# Allegro board RK_EVB7_RK3588_LP4XD200P232SD8_V11_20230111YWQ.brd (continued)
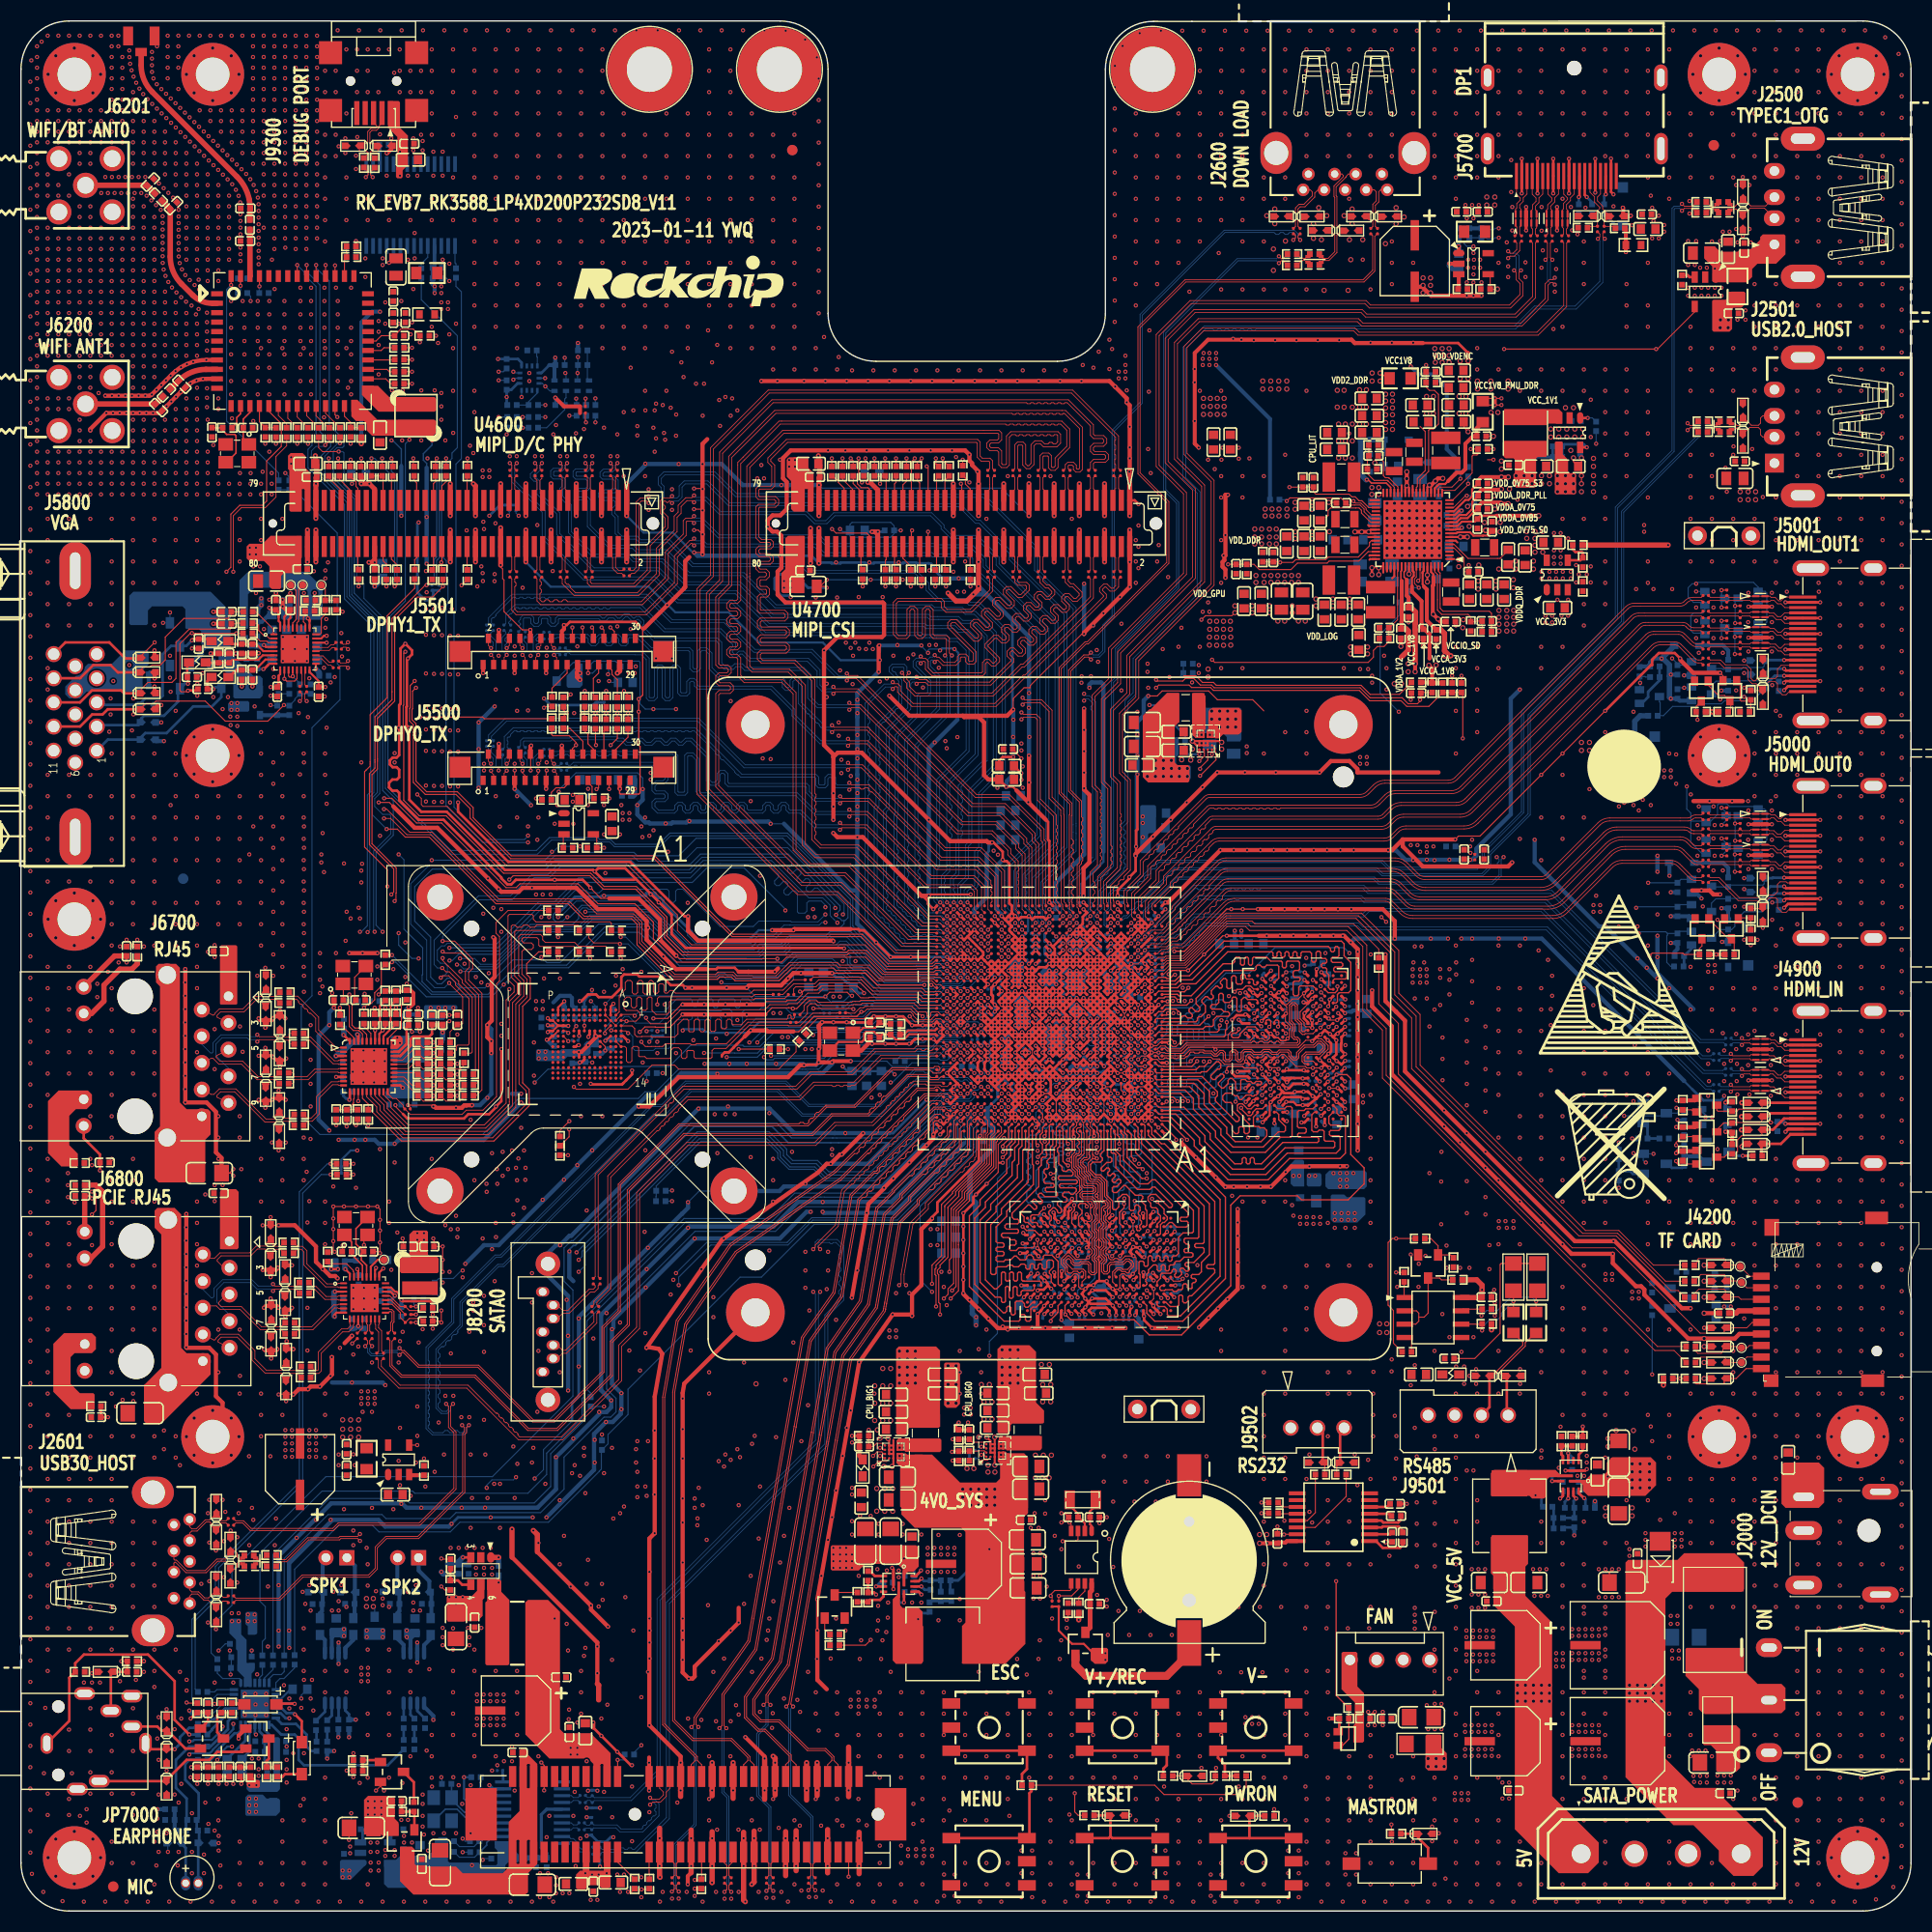
[diagram p0: board, top side]
## Nets (continued)
MAC1_TXCLK: R1514.1 U1000.AD28(GPIO3_A4_D)
MAC1_TXD0: R1515.1 U1000.AC28(GPIO3_B3_U)
MAC1_TXD1: R1516.1 U1000.AC29(GPIO3_B4_U)
MAC1_TXD2: R1512.1 U1000.AA29(GPIO3_A0_U)
MAC1_TXD3: R1513.1 U1000.AA30(GPIO3_A1_U)
MAC1_TXEN: R1517.1 U1000.AD29(GPIO3_B5_U)
MIC2N: C7010.2 C7020.2 ED7001.1 MIC7000.2 R7022.1
MIC2P: C7009.2 C7020.1 ED7000.1 MIC7000.1 R7016.2
MIPI_CAM1_CLKOUT: R4620.1 U1000.E26(GPIO1_B6_U)
MIPI_CAM1_PDN_L: R4628.1 U1000.A26(GPIO1_A2_D)
MIPI_CAM1_PWREN_H: R4626.1 U1000.F28(GPIO1_D2_D)
MIPI_CAM2_CLKOUT: R4621.2 U1000.E27(GPIO1_B7_U)
MIPI_CAM2_PDN_L: R4629.2 U1000.B25(GPIO1_A4_D)
MIPI_CAM2_PWREN_H: R4627.2 U1000.E28(GPIO1_D3_D)
MIPI_CAM3/4_PWREN_H: R4736.1 U1000.D26(GPIO1_B2_D)
MIPI_CAM3_CLKOUT: R4724.1 U1000.F24(GPIO1_D6_U)
MIPI_CAM3_PDN_L: R4732.1 U1000.C25(GPIO1_A7_U)
MIPI_CAM4/5_PWREN_H: R4737.2 U1000.D25(GPIO1_B1_D)
MIPI_CAM4_CLKOUT: R4725.2 U1000.F25(GPIO1_D7_U)
MIPI_CAM4_PDN_L: R4730.1 U1000.C27(GPIO1_B0_U)
MIPI_CAM5_PDN_L: R4733.2 U1000.AD33(GPIO2_B6_D)
MIPI_CAM6_PDN_L: R4731.2 U1000.A27(GPIO1_A3_D)
MIPI_CAM7_PDN_L: R1923.2 U4700.64(LIGHT_EN)
MIPI_CAM8_PDN_L: R1924.2 U4700.63(IR_EN)
MIPI_CSI0_CLK0N: R4708.2 U4700.15(MIPI0_CLK0N)
MIPI_CSI0_CLK0P: R4710.2 U4700.17(MIPI0_CLK0P)
MIPI_CSI0_CLK1N: R4720.2 U4700.33(MIPI0_CLK1N)
MIPI_CSI0_CLK1P: R4722.2 U4700.35(MIPI0_CLK1P)
MIPI_CSI0_D0N: R4700.2 U4700.3(MIPI0_D0N)
MIPI_CSI0_D0P: R4702.2 U4700.5(MIPI0_D0P)
MIPI_CSI0_D1N: R4704.2 U4700.9(MIPI0_D1N)
MIPI_CSI0_D1P: R4706.2 U4700.11(MIPI0_D1P)
MIPI_CSI0_D2N: R4712.2 U4700.21(MIPI0_D2N)
MIPI_CSI0_D2P: R4714.2 U4700.23(MIPI0_D2P)
MIPI_CSI0_D3N: R4716.2 U4700.27(MIPI0_D3N)
MIPI_CSI0_D3P: R4718.2 U4700.29(MIPI0_D3P)
MIPI_CSI0_RX_CLK0N: R4708.1 U1000.AJ34(MIPI_CSI0_CLK0N)
MIPI_CSI0_RX_CLK0P: R4710.1 U1000.AJ33(MIPI_CSI0_CLK0P)
MIPI_CSI0_RX_CLK1N: R4720.1 U1000.AM34(MIPI_CSI0_CLK1N)
MIPI_CSI0_RX_CLK1P: R4722.1 U1000.AM33(MIPI_CSI0_CLK1P)
MIPI_CSI0_RX_D0N: R4700.1 U1000.AG34(MIPI_CSI0_D0N)
MIPI_CSI0_RX_D0P: R4702.1 U1000.AG33(MIPI_CSI0_D0P)
MIPI_CSI0_RX_D1N: R4704.1 U1000.AH34(MIPI_CSI0_D1N)
MIPI_CSI0_RX_D1P: R4706.1 U1000.AH33(MIPI_CSI0_D1P)
MIPI_CSI0_RX_D2N: R4712.1 U1000.AK34(MIPI_CSI0_D2N)
MIPI_CSI0_RX_D2P: R4714.1 U1000.AK33(MIPI_CSI0_D2P)
MIPI_CSI0_RX_D3N: R4716.1 U1000.AL34(MIPI_CSI0_D3N)
MIPI_CSI0_RX_D3P: R4718.1 U1000.AL33(MIPI_CSI0_D3P)
MIPI_CSI1_CLK0N: R4709.1 U4700.16(MIPI1_CLK0N)
MIPI_CSI1_CLK0P: R4711.1 U4700.18(MIPI1_CLK0P)
MIPI_CSI1_CLK1N: R4721.1 U4700.34(MIPI1_CLK1N)
MIPI_CSI1_CLK1P: R4723.1 U4700.36(MIPI1_CLK1P)
MIPI_CSI1_D0N: R4701.1 U4700.4(MIPI1_D0N)
MIPI_CSI1_D0P: R4703.1 U4700.6(MIPI1_D0P)
MIPI_CSI1_D1N: R4705.1 U4700.10(MIPI1_D1N)
MIPI_CSI1_D1P: R4707.1 U4700.12(MIPI1_D1P)
MIPI_CSI1_D2N: R4713.1 U4700.22(MIPI1_D2N)
MIPI_CSI1_D2P: R4715.1 U4700.24(MIPI1_D2P)
MIPI_CSI1_D3N: R4717.1 U4700.28(MIPI1_D3N)
MIPI_CSI1_D3P: R4719.1 U4700.30(MIPI1_D3P)
MIPI_CSI1_RX_CLK0N: R4709.2 U1000.AJ32(MIPI_CSI1_CLK0N)
MIPI_CSI1_RX_CLK0P: R4711.2 U1000.AJ31(MIPI_CSI1_CLK0P)
MIPI_CSI1_RX_CLK1N: R4721.2 U1000.AM32(MIPI_CSI1_CLK1N)
MIPI_CSI1_RX_CLK1P: R4723.2 U1000.AM31(MIPI_CSI1_CLK1P)
MIPI_CSI1_RX_D0N: R4701.2 U1000.AG32(MIPI_CSI1_D0N)
MIPI_CSI1_RX_D0P: R4703.2 U1000.AG31(MIPI_CSI1_D0P)
MIPI_CSI1_RX_D1N: R4705.2 U1000.AH32(MIPI_CSI1_D1N)
MIPI_CSI1_RX_D1P: R4707.2 U1000.AH31(MIPI_CSI1_D1P)
MIPI_CSI1_RX_D2N: R4713.2 U1000.AK32(MIPI_CSI1_D2N)
MIPI_CSI1_RX_D2P: R4715.2 U1000.AK31(MIPI_CSI1_D2P)
MIPI_CSI1_RX_D3N: R4717.2 U1000.AL32(MIPI_CSI1_D3N)
MIPI_CSI1_RX_D3P: R4719.2 U1000.AL31(MIPI_CSI1_D3P)
MIPI_DPHY0_RX_CLKN: R4608.1 U1000.AP31(MIPI_DPHY0_RX_CLKN/MIPI_CPHY0_RX_TRIO1_B)
MIPI_DPHY0_RX_CLKP: R4610.1 U1000.AN32(MIPI_DPHY0_RX_CLKP/MIPI_CPHY0_RX_TRIO1_C)
MIPI_DPHY0_RX_D0N: R4600.1 U1000.AP29(MIPI_DPHY0_RX_D0N/MIPI_CPHY0_RX_TRIO0_A)
MIPI_DPHY0_RX_D0P: R4602.1 U1000.AN29(MIPI_DPHY0_RX_D0P/MIPI_CPHY0_RX_TRIO0_B)
MIPI_DPHY0_RX_D1N: R4604.1 U1000.AP30(MIPI_DPHY0_RX_D1N/MIPI_CPHY0_RX_TRIO0_C)
MIPI_DPHY0_RX_D1P: R4606.1 U1000.AN30(MIPI_DPHY0_RX_D1P/MIPI_CPHY0_RX_TRIO1_A)
MIPI_DPHY0_RX_D2N: R4612.1 U1000.AP32(MIPI_DPHY0_RX_D2N/MIPI_CPHY0_RX_TRIO2_A)
MIPI_DPHY0_RX_D2P: R4614.1 U1000.AN33(MIPI_DPHY0_RX_D2P/MIPI_CPHY0_RX_TRIO2_B)
MIPI_DPHY0_RX_D3N: R4616.1 U1000.AP33(MIPI_DPHY0_RX_D3N/MIPI_CPHY0_RX_TRIO2_C)
MIPI_DPHY0_RX_D3P: R4618.1 U1000.AN34(MIPI_DPHY0_RX_D3P/NO_USE)
MIPI_DPHY0_TX_CLKN: R5504.2 U1000.AP26(MIPI_DPHY0_TX_CLKN/MIPI_CPHY0_TX_TRIO1_B)
MIPI_DPHY0_TX_CLKP: R5505.1 U1000.AN26(MIPI_DPHY0_TX_CLKP/MIPI_CPHY0_TX_TRIO1_C)
MIPI_DPHY0_TX_D0N: R5501.2 U1000.AP24(MIPI_DPHY0_TX_D0N/MIPI_CPHY0_TX_TRIO0_A)
MIPI_DPHY0_TX_D0P: R5500.1 U1000.AN24(MIPI_DPHY0_TX_D0P/MIPI_CPHY0_TX_TRIO0_B)
MIPI_DPHY0_TX_D1N: R5502.1 U1000.AP25(MIPI_DPHY0_TX_D1N/MIPI_CPHY0_TX_TRIO0_C)
MIPI_DPHY0_TX_D1P: R5503.2 U1000.AN25(MIPI_DPHY0_TX_D1P/MIPI_CPHY0_TX_TRIO1_A)
MIPI_DPHY0_TX_D2N: R5506.1 U1000.AP27(MIPI_DPHY0_TX_D2N/MIPI_CPHY0_TX_TRIO2_A)
MIPI_DPHY0_TX_D2P: R5507.2 U1000.AN27(MIPI_DPHY0_TX_D2P/MIPI_CPHY0_TX_TRIO2_B)
MIPI_DPHY0_TX_D3N: R5508.2 U1000.AP28(MIPI_DPHY0_TX_D3N/MIPI_CPHY0_TX_TRIO2_C)
MIPI_DPHY0_TX_D3P: R5509.1 U1000.AN28(MIPI_DPHY0_TX_D3P/NO_USE)
MIPI_DPHY1_RX_CLKN: R4609.2 U1000.AL20(MIPI_DPHY1_RX_CLKN/MIPI_CPHY1_RX_TRIO1_B)
MIPI_DPHY1_RX_CLKP: R4611.2 U1000.AK20(MIPI_DPHY1_RX_CLKP/MIPI_CPHY1_RX_TRIO1_C)
MIPI_DPHY1_RX_D0N: R4601.2 U1000.AL18(MIPI_DPHY1_RX_D0N/MIPI_CPHY1_RX_TRIO0_A)
MIPI_DPHY1_RX_D0P: R4603.2 U1000.AK18(MIPI_DPHY1_RX_D0P/MIPI_CPHY1_RX_TRIO0_B)
MIPI_DPHY1_RX_D1N: R4605.2 U1000.AL19(MIPI_DPHY1_RX_D1N/MIPI_CPHY1_RX_TRIO0_C)
MIPI_DPHY1_RX_D1P: R4607.2 U1000.AK19(MIPI_DPHY1_RX_D1P/MIPI_CPHY1_RX_TRIO1_A)
MIPI_DPHY1_RX_D2N: R4613.2 U1000.AL21(MIPI_DPHY1_RX_D2N/MIPI_CPHY1_RX_TRIO2_A)
MIPI_DPHY1_RX_D2P: R4615.2 U1000.AK21(MIPI_DPHY1_RX_D2P/MIPI_CPHY1_RX_TRIO2_B)
MIPI_DPHY1_RX_D3N: R4617.2 U1000.AL22(MIPI_DPHY1_RX_D3N/MIPI_CPHY1_RX_TRIO2_C)
MIPI_DPHY1_RX_D3P: R4619.2 U1000.AK22(MIPI_DPHY1_RX_D3P/NO_USE)
MIPI_DPHY1_TX_CLKN: R5534.2 U1000.AP20(MIPI_DPHY1_TX_CLKN/MIPI_CPHY1_TX_TRIO1_B)
MIPI_DPHY1_TX_CLKP: R5535.1 U1000.AN20(MIPI_DPHY1_TX_CLKP/MIPI_CPHY1_TX_TRIO1_C)
MIPI_DPHY1_TX_D0N: R5531.2 U1000.AP18(MIPI_DPHY1_TX_D0N/MIPI_CPHY1_TX_TRIO0_A)
MIPI_DPHY1_TX_D0P: R5530.1 U1000.AN18(MIPI_DPHY1_TX_D0P/MIPI_CPHY1_TX_TRIO0_B)
MIPI_DPHY1_TX_D1N: R5532.1 U1000.AP19(MIPI_DPHY1_TX_D1N/MIPI_CPHY1_TX_TRIO0_C)
MIPI_DPHY1_TX_D1P: R5533.2 U1000.AN19(MIPI_DPHY1_TX_D1P/MIPI_CPHY1_TX_TRIO1_A)
MIPI_DPHY1_TX_D2N: R5536.1 U1000.AP21(MIPI_DPHY1_TX_D2N/MIPI_CPHY1_TX_TRIO2_A)
MIPI_DPHY1_TX_D2P: R5537.2 U1000.AN21(MIPI_DPHY1_TX_D2P/MIPI_CPHY1_TX_TRIO2_B)
MIPI_DPHY1_TX_D3N: R5538.2 U1000.AP22(MIPI_DPHY1_TX_D3N/MIPI_CPHY1_TX_TRIO2_C)
MIPI_DPHY1_TX_D3P: R5539.1 U1000.AN22(MIPI_DPHY1_TX_D3P/NO_USE)
MIPI_DPHY_FSYNC: R4630.1 R4631.2 R4734.2 R4735.1
MIPI_DPHY_HSYNC: R4651.1 R4652.2 R4741.1 R4751.2
MIPI_TE: J5500.18 J5501.18 R5511.1
MIPILCD_TE: R1906.2 R5511.2
MODE_SELECT: R2010.2 R2030.1 U2000.6(MODE)
NPU_VSEL: U1000.U32(GPIO0_C1_D) U2303.A1(VSEL)
OTG0_REXT: R1405.1 U1000.AP12(TYPEC0_USB20_OTG0_REXT)
OTG1_DM: ED2504.1 J2500.2(D-) L2502.3 R2511.1
OTG1_DP: ED2503.1 J2500.3(D+) L2502.1 R2510.1
OTG1_REXT: R1406.1 U1000.AP7(TYPEC1_USB20_OTG1_REXT)
PA_5V: C7027.1 C7033.1 FB7001.2 U7001.6(VDD) U7002.6(VDD)
PCIE20_1_REFCLKN: R6803.2 U1000.H33(PCIE20_1_REFCLKN)
PCIE20_1_REFCLKP: R6801.2 U1000.H32(PCIE20_1_REFCLKP)
PCIE20_1_RXN/SATA30_1_RXN: C6801.2 U1000.J34(PCIE20_1_RXN/SATA30_1_RXN)
PCIE20_1_RXP/SATA30_1_RXP: C6800.2 U1000.J33(PCIE20_1_RXP/SATA30_1_RXP)
PCIE20_1_TXN/SATA30_1_TXN: C6841.2 U1000.K34(PCIE20_1_TXN/SATA30_1_TXN)
PCIE20_1_TXP/SATA30_1_TXP: C6840.2 U1000.K33(PCIE20_1_TXP/SATA30_1_TXP)
PCIE20_2_TXN: C6841.1 U6800.14(HSIN)
PCIE20_2_TXP: C6840.1 U6800.13(HSIP)
PCIE30_0_REF: R1801.1 U1000.B34(PCIE30_PORT0_RESREF)
PCIE30_1_REF: R1807.1 U1000.A33(PCIE30_PORT1_RESREF)
PCIE30_PORT0_REFCLKN_IN: R8105.2 R8107.1 U1000.E34(PCIE30_PORT0_REF_CLKN)
PCIE30_PORT0_REFCLKP_IN: R8104.2 R8108.1 U1000.E33(PCIE30_PORT0_REF_CLKP)
PCIE30_PORT0_RX0N: U1000.G34(PCIE30_PORT0_RX0N) U8100.A17(PERN0)
PCIE30_PORT0_RX0P: U1000.G33(PCIE30_PORT0_RX0P) U8100.A16(PERP0)
PCIE30_PORT0_RX1N: U1000.F33(PCIE30_PORT0_RX1N) U8100.A22(PERN1)
PCIE30_PORT0_RX1P: U1000.F32(PCIE30_PORT0_RX1P) U8100.A21(PERP1)
PCIE30_PORT0_TX0N: C8104.1 U1000.D33(PCIE30_PORT0_TX0N)
PCIE30_PORT0_TX0P: C8103.1 U1000.D32(PCIE30_PORT0_TX0P)
PCIE30_PORT0_TX1N: C8108.1 U1000.C34(PCIE30_PORT0_TX1N)
PCIE30_PORT0_TX1P: C8107.1 U1000.C33(PCIE30_PORT0_TX1P)
PCIE30_PORT1_REFCLKN_IN: R8123.2 R8125.1 U1000.B28(PCIE30_PORT1_REF_CLKN)
PCIE30_PORT1_REFCLKP_IN: R8122.2 R8126.1 U1000.A28(PCIE30_PORT1_REF_CLKP)
PCIE30_PORT1_RX2N: U1000.A32(PCIE30_PORT1_RX0N) U8100.A26(PERN2)
PCIE30_PORT1_RX2P: U1000.B32(PCIE30_PORT1_RX0P) U8100.A25(PERP2)
PCIE30_PORT1_RX3N: U1000.B31(PCIE30_PORT1_RX1N) U8100.A30(PERN3)
PCIE30_PORT1_RX3P: U1000.C31(PCIE30_PORT1_RX1P) U8100.A29(PERP3)
PCIE30_PORT1_TX2N: C8110.1 U1000.A30(PCIE30_PORT1_TX0N)
PCIE30_PORT1_TX2P: C8109.1 U1000.B30(PCIE30_PORT1_TX0P)
PCIE30_PORT1_TX3N: C8112.1 U1000.B29(PCIE30_PORT1_TX1N)
PCIE30_PORT1_TX3P: C8111.1 U1000.C29(PCIE30_PORT1_TX1P)
PCIE30_REFCLKN_SLOT: R8116.2 R8117.1 U8100.A14(REFCLK-)
PCIE30_REFCLKP_SLOT: R8111.2 R8114.1 U8100.A13(REFCLK+)
PCIE30X4_CLKREQN_3V3: R8102.2 U8100.B12(RSVD_B12)
PCIE30X4_CLKREQN_M1_L: R8102.1 U1000.AL26(GPIO4_B4_U)
PCIE30X4_PERSTN_3V3: R8101.1 U8100.A11(PERST#)
PCIE30X4_PERSTN_M1_L: R8101.2 U1000.AJ27(GPIO4_B6_D)
PCIE30X4_PRSNT_L: R8103.2 U1000.AM25(GPIO4_B3_U) U8100.B17(PRSNT2#_1) U8100.B31(PRSNT2#_2)
PCIE30X4_WAKEN_3V3: R8100.2 U8100.B11(WAKE#)
PCIE30X4_WAKEN_M1_L: R8100.1 U1000.AJ26(GPIO4_B5_D)
PCIE_2_RXN: C6801.1 U6800.18(HSON)
PCIE_2_RXP: C6800.1 U6800.17(HSOP)
PCIE_PWREN_H: R8106.1 R8119.1 R8134.1 U1000.AE30(GPIO2_C5_D)
PCIEX1_0_CLKREQN_M1_L: R6807.2 U1000.E25(GPIO1_B5_U)
PCIEX1_0_PERSTN_M1_L: R6805.2 U1000.E24(GPIO1_B4_U)
PCIEX1_0_WAKEN_M1_L: R1905.2 R6806.2
PCIEX1_0_WAKEN_M1_L/GPIO1_B3: R1905.1 R1906.1 U1000.D27(GPIO1_B3_D)
PCM_CLK_BT: R6222.2 U6200.30(PCM_CLK)
PCM_IN_BT: R6220.2 U6200.28(PCM_IN)
PCM_OUT_BT: R6221.2 U6200.29(PCM_OUT)
PCM_SYNC_BT: R6219.2 U6200.27(PCM_SYNC)
PERSTB: C6804.1 R6805.1 U6800.19(PERSTB)
PETN0: C8104.2 U8100.B15(PETN0)
PETN1: C8108.2 U8100.B20(PETN1)
PETP0: C8103.2 U8100.B14(PETP0)
PETP1: C8107.2 U8100.B19(PETP1)
PHONE_CTL: R7023.2 U1000.AM27(GPIO4_A7_D)
PHY0_CLKOUT125: R6710.2 U6700.35(CLKOUT)
PHY0_LED0/CFG_EXT: R6714.1 R6715.2 U6700.32(LED0/CFG_EXT)
PHY0_LED1/CFG_LDO0: C6750.1 J6700.11(G+) R6718.1 U6700.33(LED1/CFG_LDO0)
PHY0_LED2/CFG_LDO1: C6751.1 J6700.14(Y+) R6716.1 R6717.2 U6700.34(LED2/CFG_LDO1)
PHY0_MDI0+: R6709.1 U6700.1(MDI[0]+)
PHY0_MDI0-: R6707.1 U6700.2(MDI[0]-)
PHY0_MDI1+: R6706.1 U6700.4(MDI[1]+)
PHY0_MDI1-: R6705.1 U6700.5(MDI[1]-)
PHY0_MDI2+: R6704.1 U6700.6(MDI[2]+)
PHY0_MDI2-: R6703.1 U6700.7(MDI[2]-)
PHY0_MDI3+: R6702.1 U6700.9(MDI[3]+)
PHY0_MDI3-: R6700.1 U6700.10(MDI[3]-)
PHY0_REG_OUT: L6700.1 U6700.30(REG_OUT)
PHY0_RSTN: C6714.1 R6733.2 R6735.2 U6700.12(PHYRSTB)
PHY0_RXCLK/PHYAD1: R6723.1 R6740.1 U6700.27(RXC/PHYAD1)
PHY0_RXD0/RXDLY: R6725.1 R6726.2 R6736.1 U6700.25(RXD0/RXDLY)
PHY0_RXD1/TXDLY: R6728.2 R6729.1 R6737.1 U6700.24(RXD1/TXDLY)
PHY0_RXD2/PLLOFF: R6730.1 R6731.2 R6738.1 U6700.23(RXD2/PLLOFF)
PHY0_RXD3/PHYAD0: R6721.1 R6722.2 R6739.1 U6700.22(RXD3/PHYAD0)
PHY0_RXDV/PHYAD2: R6724.1 R6741.1 U6700.26(RXCTL/PHYAD2)
PHY0_XTALIN: C6700.1 U6700.36(XTAL_IN) Y6700.3(X2)
PHY0_XTALOUT: C6701.1 U6700.37(XTAL_OUT/EXT_CLK) Y6700.1(X1)
PHY1_MDI0+: R6819.1 U6800.1(MDIP0)
PHY1_MDI0-: R6818.1 U6800.2(MDIN0)
PHY1_MDI1+: R6817.1 U6800.4(MDIP1)
PHY1_MDI1-: R6816.1 U6800.5(MDIN1)
PHY1_MDI2+: R6815.1 U6800.6(MDIP2(NC))
PHY1_MDI2-: R6814.1 U6800.7(MDIN2(NC))
PHY1_MDI3+: R6813.1 U6800.9(MDIP3(NC))
PHY1_MDI3-: R6812.1 U6800.10(MDIN3(NC))
PHY1_REG_OUT: L6800.1 U6800.24(REGOUT(NC))
PHY1_XTALIN: C6803.1 U6800.28(CKXTAL1) Y6800.3(X2)
PHY1_XTALOUT: C6802.1 U6800.29(CKXTAL2) Y6800.1(X1)
PI6C_OE: R8131.2 R8132.2 U8102.8(OE)
PI6C_PDN: R8128.2 U8102.7(PDN)
PI6C_S0: R8110.2 R8112.2 U8102.2(S0)
PI6C_S1: R8113.2 R8115.2 U8102.3(S1)
PI6C_S2: R8118.2 U8102.4(S2)
PMIC_EXT_EN_OUT: R2304.1 U2200.39((M\/S)EXT_EN)
PMIC_FB6: C2216.2 R2202.2 R2204.1 U2200.31(FB6)
PMIC_FB9: C2233.2 R2207.2 R2208.1 U2200.66(FB9)
PMIC_INT_L: R2214.2 U1000.M30(GPIO0_A7_U) U2200.19(INT)
PMIC_PWR_CTRL1: U1000.R32(GPIO0_A2_D) U2200.62(PWRCTRL1)
PMIC_PWR_CTRL2: R1115.2 R1116.1 U2200.61(PWRCTRL2)
PMIC_SPI_CLK: C2280.1 R1104.2 U2200.17((SCL)CLK)
PMIC_SPI_CS: R2212.1 U1000.K30(GPIO0_B1_Z) U2200.18((IIC/S\P\I\)CS)
PMIC_SPI_MOSI: R1107.2 R2213.1 U1000.L29(GPIO0_B3_Z) U2200.15((SDA)MOSI)
PMIC_SW1: L2201.1 U2200.50(SW1_1) U2200.51(SW1_2)
PMIC_SW2: L2203.1 U2200.35(SW2_1) U2200.36(SW2_2)
PMIC_SW3: L2205.1 U2200.55(SW3)
PMIC_SW4: L2207.1 U2200.23(SW4)
PMIC_SW5: L2200.2 U2200.45(SW5)
PMIC_SW6: L2202.2 U2200.29(SW6)
PMIC_SW7: L2209.1 U2200.42(SW7)
PMIC_SW8: L2206.2 U2200.6(SW8)
PMIC_SW9: L2204.2 U2200.68(SW9)
PMIC_SW10: L2208.2 U2200.26(SW10)
PMIC_VDC: C2265.1 R2216.1 R2217.2 U2200.32(VDC)
PWM3_M1_FAN: Q2400.2(SOURCE) R2403.2 R2425.2 U1000.AE28(GPIO3_B2_D)
PWM15_M2: R4642.1 R4740.1 U1000.D29(GPIO1_C6_D)
PWRON_L: C2268.1 R9204.1 U2200.4(PWRON)
REFCLK_OUT: R1132.2 U4700.41(MIPI0_MCLK1)
REFCLKN_100M_RJ45: R6803.1 U6800.16(REFCLK_N)
REFCLKP_100M_RJ45: R6801.1 U6800.15(REFCLK_P)
RESET_L: C1100.1 C2266.1 R1100.1 R2215.2 R9201.1 U1000.M31(NPOR_U) U2200.40(RESETB)
RJ45_0_GND: C6817.2 J6800.10(EARTH) J6800.15 J6800.16
RJ45_1_GND: C6703.2 J6700.10(EARTH) J6700.15 J6700.16
RJ45_1_GR-: J6700.12(G-) R6711.2
RJ45_1_MDI0+: ED6700.1 J6700.2(MDI0+) R6709.2
RJ45_1_MDI0-: ED6701.1 J6700.3(MDI0-) R6707.2
RJ45_1_MDI1+: ED6702.1 J6700.4(MDI1+) R6706.2
RJ45_1_MDI1-: ED6703.1 J6700.7(MDI1-) R6705.2
RJ45_1_MDI2+: ED6704.1 J6700.5(MDI2+) R6704.2
RJ45_1_MDI2-: ED6705.1 J6700.6(MDI2-) R6703.2
RJ45_1_MDI3+: ED6706.1 J6700.8(MDI3+) R6702.2
RJ45_1_MDI3-: ED6707.1 J6700.9(MDI3-) R6700.2
RJ45_1_YR-: J6700.13(Y-) R6713.2
RJ45_2_GR-: J6800.12(G-) R6820.2
RJ45_2_MDI0+: ED6800.1 J6800.2(MDI0+) R6819.2
RJ45_2_MDI0-: ED6801.1 J6800.3(MDI0-) R6818.2
RJ45_2_MDI1+: ED6802.1 J6800.4(MDI1+) R6817.2
RJ45_2_MDI1-: ED6803.1 J6800.7(MDI1-) R6816.2
RJ45_2_MDI2+: ED6804.1 J6800.5(MDI2+) R6815.2
RJ45_2_MDI2-: ED6805.1 J6800.6(MDI2-) R6814.2
RJ45_2_MDI3+: ED6806.1 J6800.8(MDI3+) R6813.2
RJ45_2_MDI3-: ED6807.1 J6800.9(MDI3-) R6812.2
RJ45_2_YR-: J6800.13(Y-) R6821.2
RK1608_IRQ: R1531.2 U4700.50(MIPI1_0_RST)
RK1608_RST: R1533.2 U4700.54(MIPI1_1_RST)
ROUT1: C7019.1 U7000.11(ROUT1)
ROUT2: R7026.1 U7000.14(ROUT2)
RS232_RX: ED9502.1 J9502.2 R9520.2
RS232_TX: ED9503.1 J9502.3 R9519.2
RSET: R6802.2 U6800.31(RSET)
RSET0: R6719.1 U6700.39(RSET)
RTC_INT_L: U1000.L30(GPIO0_B0_Z) U2400.3(I\N\T\)
SARADC_VIN1_KEY/RECOVERY: C1511.1 ED9200.1 R1500.1 R9200.1 R9202.1 U1000.AL16(SARADC_IN1)
SARADC_VIN3_HP_HOOK: C1512.1 C7017.1 R7012.1 R7014.1 U1000.AN17(SARADC_IN3)
SARADC_VIN5_HW_ID: C1513.1 R1508.2 R1510.1 U1000.AK15(SARADC_IN5)
SARADC_VIN7_LCD_ID0: C1514.1 R5513.1 R5563.1 U1000.AK17(SARADC_IN7)
SATA0_RXN: C8202.2 J8200.5(RXN)
SATA0_RXP: C8203.2 J8200.6(RXP)
SATA0_TXN: C8201.2 J8200.3(TXN)
SATA0_TXP: C8200.2 J8200.2(TXP)
SATA30_0_RXN: C8202.1 U1000.N34(PCIE20_0_RXN/SATA30_0_RXN)
SATA30_0_RXP: C8203.1 U1000.N33(PCIE20_0_RXP/SATA30_0_RXP)
SATA30_0_TXN: C8201.1 U1000.M33(PCIE20_0_TXN/SATA30_0_TXN)
SATA30_0_TXP: C8200.1 U1000.M34(PCIE20_0_TXP/SATA30_0_TXP)
SD_CLK: D4204.1 J4200.5(CLK) R1320.2
SD_CMD: D4205.1 J4200.3(CMD) R4206.2
SD_D0: D4203.1 J4200.7(DATA0) R4207.2 TP4202.1
SD_D1: D4202.1 J4200.8(DATA1) R4208.2 TP4203.1
SD_D2: D4207.1 J4200.1(DATA2) R4204.2 TP4200.1
SD_D3: D4206.1 J4200.2(CD/DATA3) R4205.2 TP4201.1
SD_DET: D4201.1 J4200.9(CD) R4209.2
SDIO_CLK_M0_WIFI: R6207.1 U1000.AE33(GPIO2_B3_D)
SDIO_CMD_M0_WIFI: R6206.1 U1000.AC34(GPIO2_B2_U)
SDIO_D0_M0_WIFI: R6210.1 U1000.AC32(GPIO2_A6_U)
SDIO_D1_M0_WIFI: R6211.1 U1000.AC31(GPIO2_A7_U)
SDIO_D2_M0_WIFI: R6209.1 U1000.AE32(GPIO2_B0_U)
SDIO_D3_M0_WIFI: R6208.1 U1000.AC33(GPIO2_B1_U)
SDIO_VSEL: R6214.2 R6217.1 U6200.24(NC/SDIO_VSEL/PCIE_PME_L)
SDMMC0_CLK: R1320.1 U1000.AE1(GPIO4_D5_D)
SDMMC0_CMD: R4206.1 U1000.AE2(GPIO4_D4_U)
SDMMC0_D0: R4207.1 U1000.AD2(GPIO4_D0_U)
SDMMC0_D1: R4208.1 U1000.AD1(GPIO4_D1_U)
SDMMC0_D2: R4204.1 U1000.AF2(GPIO4_D2_U)
SDMMC0_D3: R4205.1 U1000.AF1(GPIO4_D3_U)
SDMMC_DET_L: R4203.1 R4209.1 U1000.P31(GPIO0_A4_U)
SDMMC_PWREN: R4201.1 U1000.T28(GPIO0_B7_D)
SPI2_CLK_M2: R1104.1 U1000.N31(GPIO0_A5_D)
SPK1_N: C7028.1 ED7007.1 J7000.2 L7001.2
SPK1_P: C7029.1 ED7006.1 J7000.1 L7000.2
SPK2_N: C7034.1 ED7009.1 J7001.2 L7003.2
SPK2_P: C7035.1 ED7008.1 J7001.1 L7002.2
SPK_CTL_H: R7024.2 U1000.AM29(GPIO4_A2_D) U7001.1(EN) U7002.1(EN)
SYS4V0_MODE_L: R2031.1 U1000.T32(GPIO0_C2_D)
TP_INT: J5501.25 R5544.2
TP_INT_L: R5517.1 R5544.1 U1000.Y29(GPIO3_C0_D)
TP_RST: J5501.26 R5545.1
TP_RST_L: R5518.2 R5545.2 U1000.Y27(GPIO3_C1_D)
TSADC_SHUT_H: R1100.2 U1000.P32(GPIO0_A1_Z)
TYPEC0_OTG_DM: R2602.1 U1000.AM12(TYPEC0_USB20_OTG_DM)
TYPEC0_OTG_DP: R2605.1 U1000.AL12(TYPEC0_USB20_OTG_DP)
TYPEC0_REXT: R1402.1 U1000.AH16(TYPEC0_DP0_REXT)
TYPEC0_SSRX1N: R2607.1 U1000.AP13(TYPEC0_SSRX1N/DP0_TX0N)
TYPEC0_SSRX1P: R2608.1 U1000.AN13(TYPEC0_SSRX1P/DP0_TX0P)
TYPEC0_SSTX1N: C2605.1 U1000.AN14(TYPEC0_SSTX1N/DP0_TX1N)
TYPEC0_SSTX1P: C2606.1 U1000.AP14(TYPEC0_SSTX1P/DP0_TX1P)
TYPEC0_USB20_VBUSDET: C2600.1 R2600.2 R2601.1 U1000.AM14(TYPEC0_USB20_VBUSDET)
TYPEC1_OTG_DM: R2513.2 U1000.AL9(TYPEC1_USB20_OTG_DM)
TYPEC1_OTG_DP: R2512.2 U1000.AK9(TYPEC1_USB20_OTG_DP)
U_DM: R9302.1 U9300.16(DM)
U_DP: R9303.1 U9300.15(DP)
UART0_RX_M2: R9511.1 U1000.AL28(GPIO4_A4_D)
UART0_TX_M2: R9515.1 R9517.1 U1000.AL29(GPIO4_A3_D)
UART2_RX_M0_DEBUG: R9300.1 U1000.R29(GPIO0_B6_D)
UART2_TX_M0_DEBUG: R9301.1 U1000.P29(GPIO0_B5_D)
UART3_RX_M2: R9521.2 U1000.AL27(GPIO4_A6_D)
UART3_TX_M2: R9522.2 U1000.AK27(GPIO4_A5_D)
UART9_CTSN_M0_BT: U1000.AB33(GPIO4_C5_D) U6200.42(UART_RTS_N)
UART9_RTSN_M0_BT: U1000.AB34(GPIO4_C4_D) U6200.43(UART_CTS_N)
UART9_RX_M0_BT: U1000.AC30(GPIO2_C4_D) U6200.40(UART_TXD)
UART9_TX_M0_BT: U1000.AD31(GPIO2_C2_D) U6200.41(UART_RXD)
USB20_HOST0_DM: R2612.2 U1000.AL6(USB20_HOST0_DM)
USB20_HOST0_DP: R2615.2 U1000.AK6(USB20_HOST0_DP)
USB20_HOST1_DM: R2509.2 U1000.AM7(USB20_HOST1_DM)
USB20_HOST1_DP: R2507.2 U1000.AL7(USB20_HOST1_DP)
USB30_2_SSRXN: R2616.1 U1000.J30(PCIE20_2_RXN/SATA30_2_RXN/USB30_2_SSRXN)
USB30_2_SSRXP: R2617.1 U1000.J31(PCIE20_2_RXP/SATA30_2_RXP/USB30_2_SSRXP)
USB30_2_SSTXN: C2611.1 U1000.H29(PCIE20_2_TXN/SATA30_2_TXN/USB30_2_SSTXN)
USB30_2_SSTXP: C2612.1 U1000.H30(PCIE20_2_TXP/SATA30_2_TXP/USB30_2_SSTXP)
USB30_HOST1_SSRXN: ED2603.1 J2600.5(RX-) R2607.2
USB30_HOST1_SSRXP: ED2602.1 J2600.6(RX+) R2608.2
USB30_HOST1_SSTXN: C2605.2 ED2601.1 J2600.8(TX-)
USB30_HOST1_SSTXP: C2606.2 ED2600.1 J2600.9(TX+)
USB30_HOST2_SSRXN: ED2609.1 J2601.5(RX-) R2616.2
USB30_HOST2_SSRXP: ED2608.1 J2601.6(RX+) R2617.2
USB30_HOST2_SSTXN: C2611.2 ED2607.1 J2601.8(TX-)
USB30_HOST2_SSTXP: C2612.2 ED2606.1 J2601.9(TX+)
USB30_OTG1_DM: ED2604.1 J2600.2(D-) L2600.2 R2603.2
USB30_OTG1_DP: ED2605.1 J2600.3(D+) L2600.4 R2606.2
USB_HOST_PWREN_H: R2609.1 U1000.AK26(GPIO4_B0_D) U2500.4(EN) U2600.4(EN) U2601.4(EN)
VGA_B: C5829.1 FB5804.1 R5816.1 U5800.5(IOBP)
VGA_B_CON: C5830.1 D5810.3 D5811.1 FB5804.2 J5800.3(B)
VGA_DDC_SCL: C5807.1 D5801.1 J5800.15(SCL) R5801.2 R5805.2
VGA_DDC_SDA: C5806.1 D5802.1 J5800.12(SDA) R5800.2 R5804.2
VGA_G: C5825.1 FB5803.1 R5815.1 U5800.6(IOGP)
VGA_G_CON: C5826.1 D5806.3 D5808.1 FB5803.2 J5800.2(G)
VGA_HPDIN_L: R5810.1 R5811.1 U1000.AH27(GPIO3_A6_D)
VGA_HSYNC: R5812.1 U5800.2(HSYNC)
VGA_HSYNC_CON: C5823.1 D5805.1 J5800.13(HS) R5812.2
VGA_R: C5821.1 FB5802.1 R5813.1 U5800.7(IORP)
VGA_R_CON: C5822.1 D5803.3 D5804.1 FB5802.2 J5800.1(R)
VGA_SCL: R5805.1 U5800.10(ISPSCL) U5800.13(VGADDCCLK)
VGA_SDA: R5804.1 U5800.11(ISPSDA) U5800.12(VGADDCSDA)
VGA_VSYNC: R5814.1 U5800.1(VSYNC)
VGA_VSYNC_CON: C5824.1 D5807.1 J5800.14(VS) R5814.2
VSEL5: R1115.1 U1000.T30(GPIO0_C3_D)
WIFI_CLK: R6207.2 U6200.18(SDIO_DATA_CLK)
WIFI_CMD: R6206.2 U6200.17(SDIO_DATA_CMD)
WIFI_D0: R6210.2 U6200.21(SDIO_DATA_0/HUSB_DP)
WIFI_D1: R6211.2 U6200.22(SDIO_DATA_1/HUSB_DM)
WIFI_D2: R6209.2 U6200.20(SDIO_DATA_2)
WIFI_D3: R6208.2 U6200.19(SDIO_DATA_3)
WIFI_REG_ON_H: R6201.1 U1000.R30(GPIO0_C4_D)
WIFI_REG_ON_S: R6201.2 R6202.1 U6200.15(WL_REG_ON)
WIFI_WAKE_HOST_H: U1000.K29(GPIO0_B2_U) U6200.16(WL_HOST_WAKE)
XIN24M: C1102.1 R1103.2 U1000.R34(XIN_24M) Y1100.3(X2)
XOUT24M: R1101.2 R1103.1 U1000.T34(XOUT_24M)
N14549718: D5000.2(K) R5001.1 R5004.1
N16895373: C4009.1 U4000.C2(VDDI)
N17187928: R2505.1 U2500.3(OCB)
N17200572: C8120.1 U8101.4(BP)
N17201737: R8106.2 R8109.1 U8101.3(EN)
N17202767: C8128.1 U8102.5(X1) Y8100.1(X1)
N17202820: C8129.1 R8121.1 Y8100.3(X2)
N17209936: R8121.2 U8102.6(X2)
N17209939: R8129.1 U8102.10(IREF)
N17209946: C8135.1 C8136.1 R8130.2 U8102.15(VDDODA)
N17368372: R9200.2 SW9200.2 SW9200.3
N17369190: ED9201.1 R9201.2 SW9201.2 SW9201.3
N17704968: C5010.1 Q5001.1(GATE) R5003.2
N17706314: C5025.1 Q5008.1(GATE) R5023.2
N17716140: C2261.2 D2200.2(K) R2216.2
N17720882: C2008.2 L2000.1 R2004.1 U2000.7(SW)
N17720886: C2009.1 R2004.2 R2006.1
N17720900: R2005.2 R2006.2 R2008.1 U2000.11(FB)
N17721032: C2015.1 R2003.1 R2007.2 U2000.12(EN)
N17721054: C2017.1 R2009.1 R2010.1 U2000.9(VCC)
N17721064: R2009.2 U2000.3(PG)
N17721133: R2002.1 U2000.8(BST)
N17721155: C2008.1 R2002.2
N17721858: R2001.1 S2000.3(P3)
N17721922: C2004.1 R2000.2
N17758514: L2301.1 U2301.D3(SW_1) U2301.D4(SW_2) U2301.E3(SW_3) U2301.E4(SW_4)
N17758921: L2300.1 U2300.D3(SW_1) U2300.D4(SW_2) U2300.E3(SW_3) U2300.E4(SW_4)
N17759951: L2303.1 U2303.D3(SW_1) U2303.D4(SW_2) U2303.E3(SW_3) U2303.E4(SW_4)
N17830134: R5807.1 R5809.1 TP5800.1
N17854631: C8109.2 U8100.B23(PETP2)
N17854639: C8110.2 U8100.B24(PETN2)
N17854686: C8111.2 U8100.B27(PETP3)
N17854696: C8112.2 U8100.B28(PETN3)
N17998442: Q5003.3(DRAIN) R5007.2 R5008.2
N17998526: Q5004.3(DRAIN) R5009.2 R5010.2
N17998528: Q5005.3(DRAIN) R5011.2 R5012.2
N17998530: Q5006.3(DRAIN) R5013.2 R5014.2
N18004313: Q5009.3(DRAIN) R5027.2 R5028.2
N18004325: Q5010.3(DRAIN) R5029.2 R5030.2
N18004327: Q5011.3(DRAIN) R5031.2 R5032.2
N18004333: Q5012.3(DRAIN) R5033.2 R5034.2
N18031326: R6720.1 U6700.31(INTB/PMEB)
N18110066: C1600.1 U1000.AF20(MIPI_D/C_PHY0_VREG)
N18110122: C1608.1 U1000.AF19(MIPI_D/C_PHY1_VREG)
N18169701: R6230.1 U6200.50(BT_HOST_WAKE)
N18169749: C6204.1 R6200.1 Y6200.3(X2)
N18169751: C6207.1 U6200.14(XTAL_IN) Y6200.1(X1)
N18169794: R6200.2 U6200.13(XTAL_OUT)
N18169840: L6200.1 U6200.26(VIN_LDO_OUT)
N18169845: C6211.1 L6200.2 U6200.25(VIN_LDO)
N18176299: R6204.1 U6200.47(NC/GND/PCIE_TDP)
N18262694: R8122.1 U8102.14(CLK2P)
N18262695: R8123.1 U8102.13(CLK2N)
N18396694: C2329.1 R2304.2 U2302.1(EN)
N18396710: C2320.2 R2305.2 R2307.1 U2302.5(FB/OUT)
N18396738: L2302.1 U2302.3(LX)
N18397975: C2402.1 U2400.2(OSCO) Y2400.1
N18397988: R2400.1 R2410.1 U2400.7(CLKOUT)
N18397997: C2400.1 U2400.1(OSCI) Y2400.2
N18398011: D2400.1(A1) J2400.1
N18400523: Q2400.3(DRAIN) R2403.1 R2426.2 U2401.4(CONTROL)
N18441687: C2103.2 L2100.1 R2102.1 U2100.7(SW)
N18441691: C2105.1 R2102.2 R2104.1
N18441705: R2103.2 R2104.2 R2106.1 U2100.11(FB)
N18441762: C2111.1 R2101.1 R2105.1 R2139.2 U2100.12(EN)
N18441770: C2113.1 R2107.1 R2108.1 U2100.9(VCC)
N18441780: R2107.2 U2100.3(PG)
N18441788: R2108.2 R2109.1 U2100.6(MODE)
N18441798: R2100.1 U2100.8(BST)
N18441806: C2103.1 R2100.2
N18556447: TP1400.1 U1000.AL14(TYPEC0_USB20_OTG_ID)
N18565686: C4200.2 Q4200.1(GATE) R4201.2
N18995711: D4901.2(K) R4917.1
N19100594: L2600.1 R2602.2 R2603.1
N19100602: L2600.3 R2605.2 R2606.1
N19136960: R1107.1 U1000.N30(GPIO0_A6_Z)
N19283910: R2311.2 R2350.1 U2305.4(EN)
N19284797: R2322.1 U2305.3(OCB)
N19288472: Q5015.1(GATE) R5015.2 R5016.1
N19289165: Q5015.3(DRAIN) Q5016.1(GATE) R5019.1
N19293276: Q5020.1(GATE) R5036.1 R5037.2
N19293364: Q5014.1(GATE) Q5020.3(DRAIN) R5035.1
N19366700: R1202.1 U1000.G8(DDR_CH1_ZQ_C)
N19485176: L2501.2 R2502.2 R2507.1
N19485182: L2501.4 R2504.2 R2509.1
N19866847: R2323.1 U2306.3(OCB)
N20178852: R1317.1 U1000.V34(GPIO2_A1_D)
N20178858: R1314.1 U1000.Y32(GPIO2_D4_U)
N20178860: R1315.1 U1000.AA32(GPIO2_D5_U)
N20178864: R1316.1 U1000.V33(GPIO2_D7_U)
N20178868: R1318.1 U1000.AA34(GPIO2_A3_D)
N20227289: R8105.1 U8102.19(CLK0N)
N20227291: R8104.1 U8102.20(CLK0P)
N20227382: R8111.1 U8102.18(CLK1P)
N20227385: R8116.1 U8102.17(CLK1N)
N20440419: C6208.2 C6209.1 U6200.48(GPIO8_9/NC_BT_ANT/NC)
N20440459: ANT6200.1(ANT) C6208.1 C6210.1
N20457483: R9300.2 U9300.1(TXD)
N20457485: R9301.2 U9300.5(RXD)
N20464872: R2610.1 U2600.3(OCB)
N20498535: J5501.21 R5563.2
N20501889: L2601.4 R2612.1 R2613.2
N20501891: L2601.2 R2614.2 R2615.1
N20502388: R2619.1 U2601.3(OCB)
N20527785: C8127.1 R8119.2 U8103.4(EN)
N20527797: C8123.1 U8103.1(BS)
N20527799: C8123.2 L8100.1 U8103.6(LX)
N20527815: C8126.2 R8120.2 R8124.1 U8103.3(FB/OUT)
N20527966: C8131.2 Q8100.1(GATE) R8127.2 R8133.1
N20527980: Q8101.3(COLLECTOR) R8133.2
N20527992: Q8101.1(BASE) R8134.2 R8135.1
N20530957: L2502.2 R2510.2 R2512.1
N20530963: L2502.4 R2511.2 R2513.1
N20537702: R9005.2 R9006.1 U9000.1(AD0)
N20537733: C9004.1 U9000.11(REGOUT)
N20543654: D5004.2(K) R5021.1 R5024.1
N20580034: C5710.1 C5711.1 J5700.20(PWR_3V3) R5704.2
N20810704: R4729.1 R4753.1 U4700.48(I2C1_SCL_M0)
N20810812: R4727.1 R4752.1 U4700.46(I2C1_SDA_M0)
